# KiCad board AMLDC-2044B.kicad_pcb (continued)
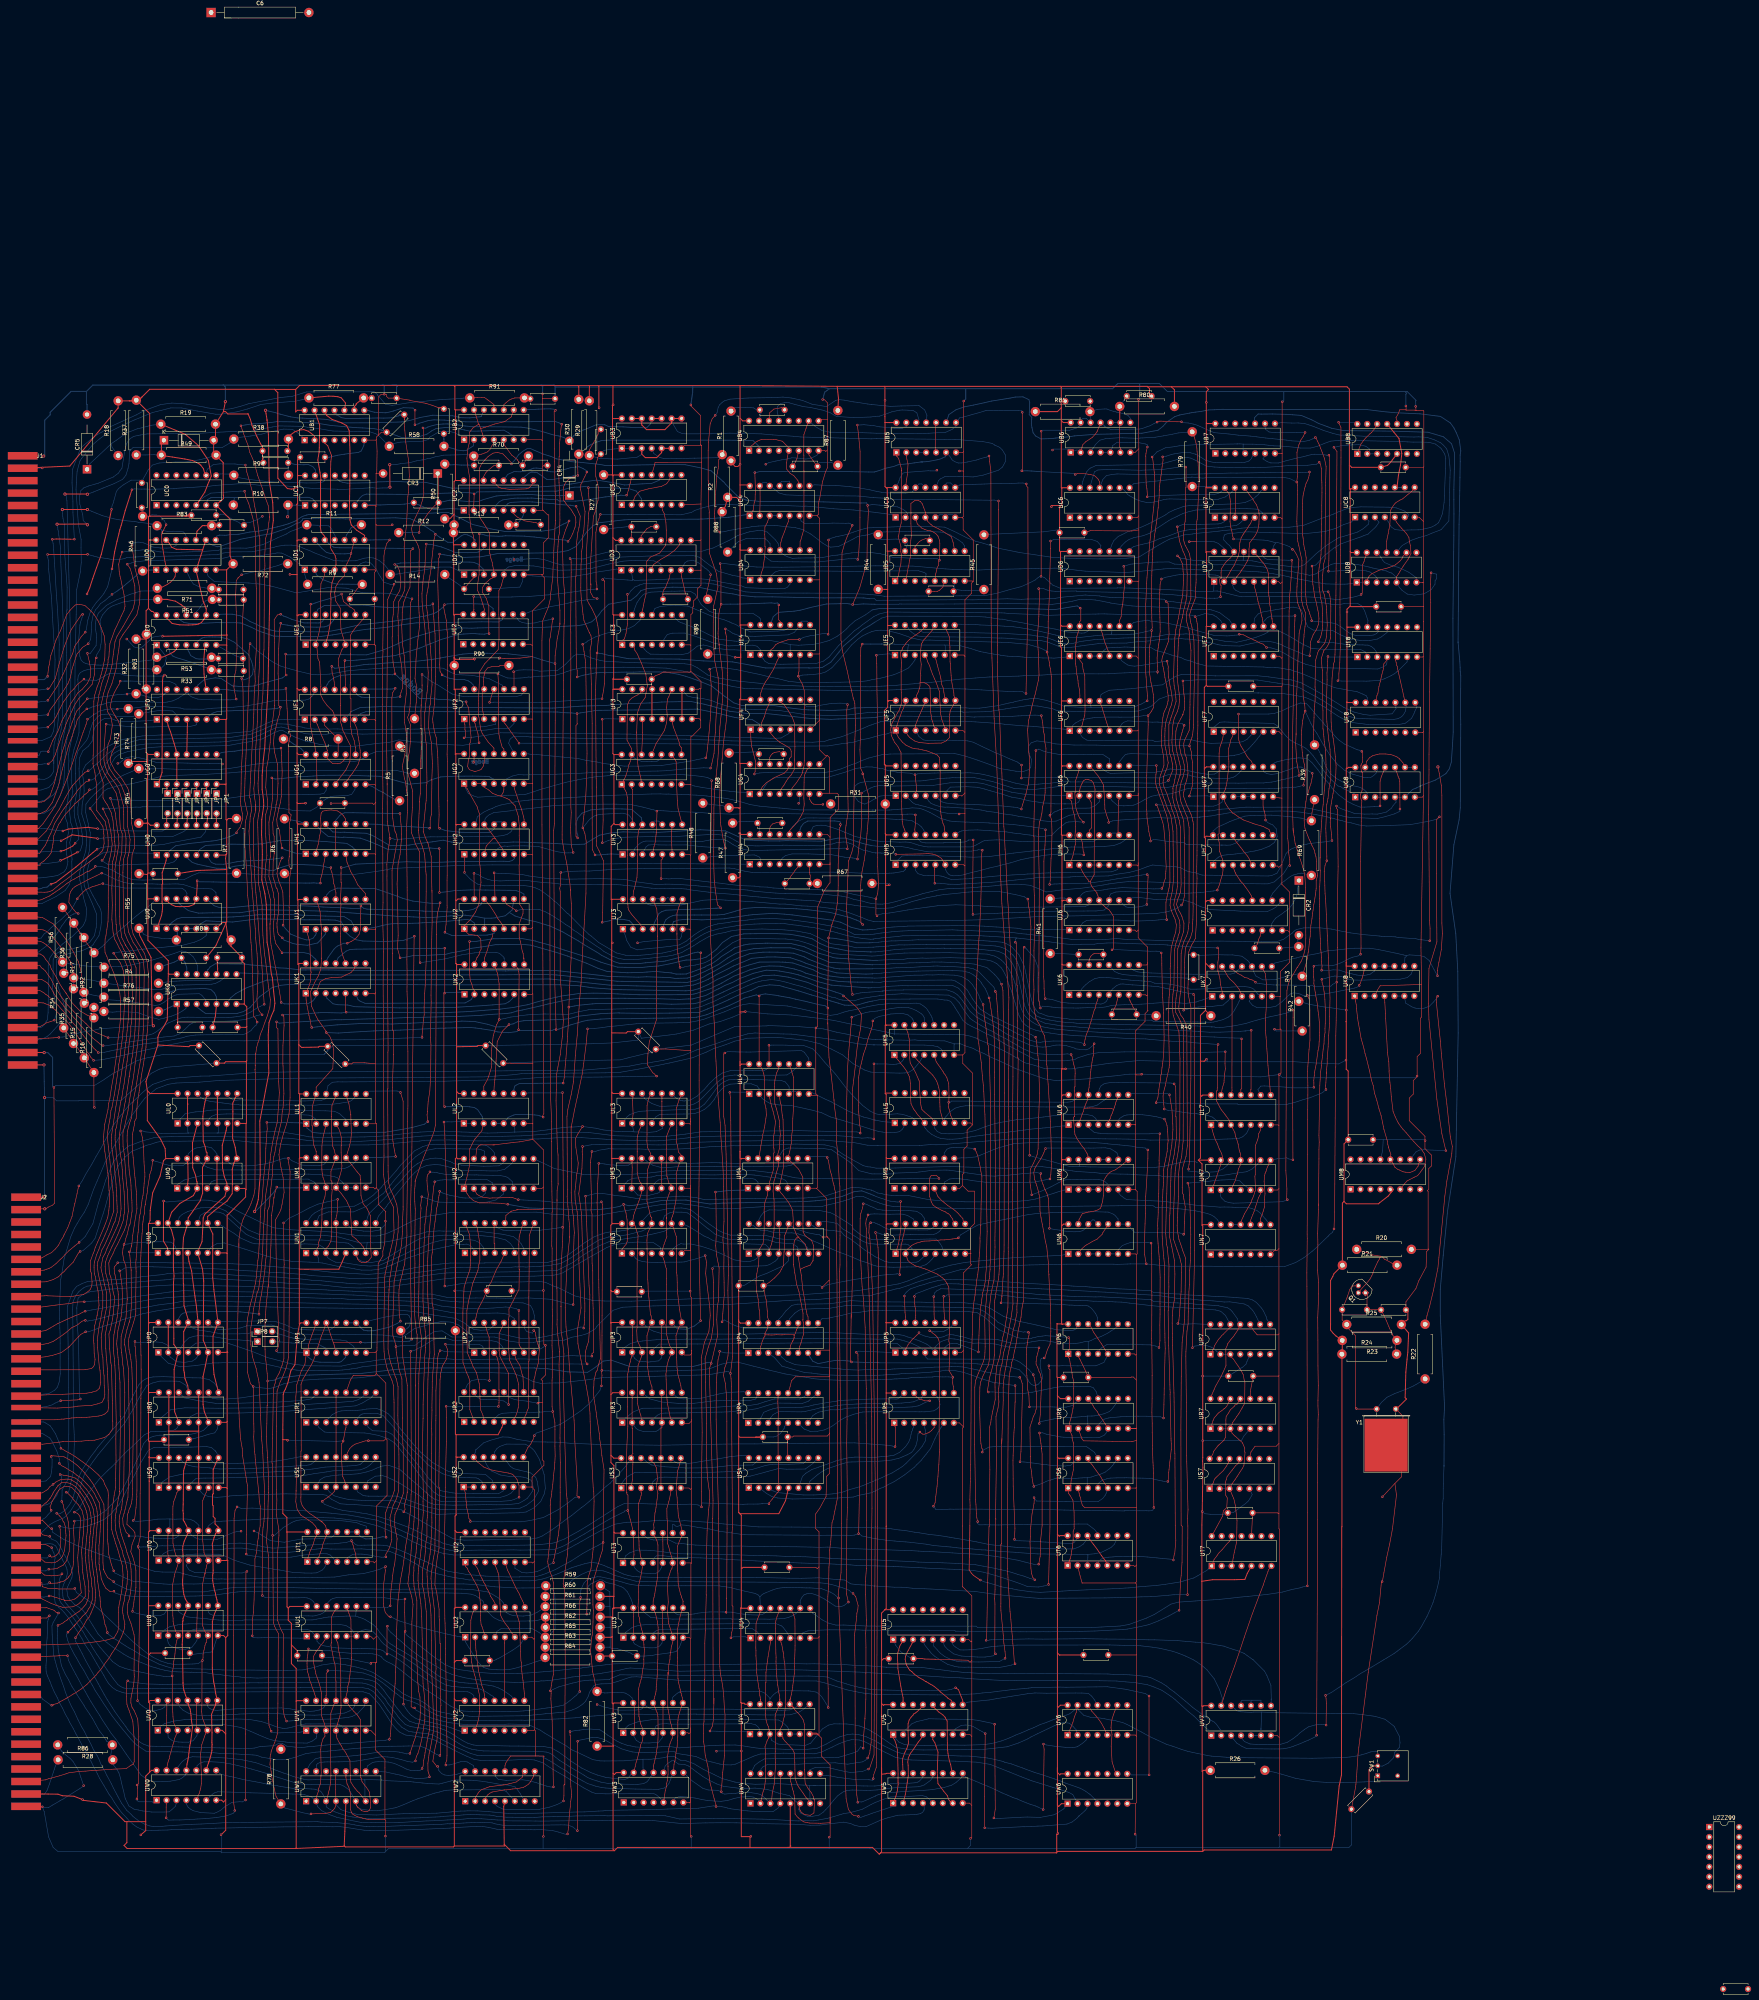
[diagram p0: board, top side]
## Routing (per net, layer and track width the routed paths; a pad name or vN(x,y) marks a point on that pad's centre or on a via; arc(x,y) is an arc through that point) (continued)
  Bottom w0.15: UH3.2 232.12,290.97 232.36,291.29 233.2,292.17 233.85,292.64 234.42,292.86 235,292.98 249.52,292.91 251.75,293.34 253.04,293.41 254.75,293.42 255.89,292.97 257.3,292.03 258.64,291.36 260.12,290.78 262.11,290.6 263.54,290.59 266.13,290.65 281.65,290.97 285.88,291.17 286.2,290.99 v1(286.44,290.99) ; v1(286.5,327.83) 286.21,328.12 284.59,328.2 282.35,328.12 279.51,327.65 278.43,327.4 275.97,327.42 275.1,328.23 UF4.9
H3p3: length 103.4
  Top w0.15: 255.36,346.2 255.38,346.06 ; 255.38,346.06 255.55,345.17 255.87,336.06 255.86,335.25 255.82,332.87 255.84,328.62 255.58,325 255.65,324.57 255.25,321.54 254.82,318.21 254.48,314.02 253.95,307.73 253.82,302.97 253.88,302.28 254.03,297.82 254.15,296.82 254.54,294.56 254.78,293.06 v1(255.29,291.17) ; 255.38,346.06 255.32,346.34 v1(255.29,347.17)
  Bottom w0.15: v1(255.29,291.17) 254.78,291.17 254.44,291.26 253.47,291.28 249.29,291.54 245.36,291.99 240.12,291.97 238.31,292 237.15,292.07 235.6,291.97 235.02,291.48 234.41,290.36 UH3.3 ; UE4.8 276.15,349.15 274.8,349.15 274.38,348.73 UE4.9 273.51,346.99 272.9,346.27 271.36,345.64 264.48,345.33 262.9,345.27 261.72,345.3 258.98,345.4 257.7,345.85 257.22,346.01 256.14,346.73 v1(255.29,347.17)
H3p5: length 189
  Top w0.15: 238.87,283.2 v1(238.87,283.39) 238.87,288.1 239.17,288.41 UH3.5 ; v1(294.04,273.9) 293.76,274.18 v1(293.76,278.24) 294.21,279.58 294.41,281.77 294.37,282.49 294.3,284.56 294.21,286.41 294.22,288.7 294.12,298.01 294.15,313.44 294.25,317.92 294.22,319.46 294.15,320.52 294.17,323.6 294.01,331.66 293.97,338.31 293.94,338.34 293.94,340.36 v1(293.86,340.43)
  Bottom w0.15: UE5.1 297.21,340.79 295.4,340.67 v1(293.86,340.43) ; v1(293.76,278.24) 292.31,278.6 290.82,278.9 288.4,279.28 284.03,280.35 281.62,280.45 278.91,280.55 274.84,280.68 274.19,280.64 272.47,280.74 267.54,280.99 265.98,281.22 264.1,281.27 262.8,281.47 259.37,281.58 256.11,281.93 254.47,282.16 250.92,282.55 248.39,282.85 243.78,283.4 241.57,283.37 240.72,283.3 240.17,283.39 v1(238.87,283.39) ; UJ6.12 348.13,276.71 347.19,276.24 332.2,276.07 329.04,276.03 322.16,276.25 319.97,276.46 314.2,276.71 309.47,276.45 304.05,275.72 301.78,275.37 298.1,274.74 297.29,274.61 295.44,274.4 294.48,274.2 v1(294.04,273.9)
H3p9: length 7.6
  Top w0.15: UH3.9 241.57,295.47 241.55,292.56 UH3.6
H3p11: length 3.5
  Bottom w0.15: UH3.10 238.48,297.88 238.31,298.04 238.05,298.1 237.11,298.1 236.63,297.62 UH3.11
H4p2: length 16.6
  Bottom w0.15: UH4.2 264.33,288.13 264.07,288.85 263.33,289.19 262.73,289.43 258.2,289.34 253.63,289.17 251.64,288.99 R48.1
H4p6: length 6.3
  Top w0.15: C11.1 271.44,283.19 271.83,283.63 272.08,284.1 272.76,284.94 273.06,285.44 274.23,286.81 UH4.6
H4p7: length 7
  Top w0.15: R67.1 276.86,282.15 C11.2 276.97,282.27 276.97,284.22 276.89,284.41 276.81,284.99 276.82,285.67 UH4.7
H4p10: length 77.5
  Bottom w0.15: UH6.11 350.8,293.83 350.23,293.47 349.43,292.94 348.6,292.81 332.52,292.88 330.84,292.89 325.84,293.25 324.58,293.28 322.24,293.18 321.53,293.08 320.99,292.92 320.6,292.67 320.15,292.4 319.41,292 319.11,291.87 318.5,291.57 318.1,291.49 315.12,291.49 307.68,291.49 307.05,291.48 306.04,291.61 304.66,291.93 302.46,292.65 301.33,292.73 299.87,292.69 294.98,292.91 293.58,293.03 293.1,293.15 292.42,293.28 288.53,294.11 285.25,295.46 283.92,296 280.89,296.95 279.86,297.03 278.71,296.97 277.74,296.68 UH4.10
H4p12: length 58.2
  Top w0.15: UG4.10 276.77,311.78 276.2,311.3 275.99,310.85 275.65,310.18 275.53,309.79 275.43,309.23 275.4,307.9 275.34,303.97 275.42,302.55 275.42,302.19 275.22,300.58 274.81,299.68 274.32,298.86 273.66,297.85 272.79,296.84 271.69,295.65 UH4.12
  Bottom w0.15: UH4.12 271.69,295.55 272.07,296.18 272.54,296.7 273.34,297.53 274.05,298.07 275.11,298.62 275.76,298.87 277.89,298.87 281.75,298.84 293.93,298.71 295.84,298.71 296.24,298.68 298.9,298.52 299.79,298.53 301.58,298.35 302.98,298.16 304.67,297.2 305.41,296.58 305.99,295.75 UH5.11
H4p14: length 5.5
  Top w0.15: UH4.14 266.61,296.14 266.79,296.74 267.34,297.34 268.46,297.72 C56.2
H4p15: length 9.6
  Bottom w0.15: R47.2 258.88,297.94 260.61,297.99 261.37,298.02 262.68,297.9 C56.1 264.07,296.99 UH4.15
H5p1: length 61.9
  Bottom w0.15: UH6.8 357.9,293.69 357.49,293.3 356.32,292.49 354.55,291.84 352.15,291.61 349.85,291.54 348.99,291.47 347.68,291.43 347.32,291.42 346.47,291.43 343.77,291.46 342.65,291.38 340.11,291.13 339.16,291.05 335.27,290.61 333.44,290.42 328.87,289.9 326.07,289.5 322.82,289.03 318.77,288.86 317.66,288.89 309.59,289.19 307.42,289.24 305.65,289.22 304.78,289.26 303.61,289.27 303.17,289.24 301.9,289.29 301.55,289.26 300.4,289.16 299.43,288.18 UH5.1
H5p2: length 279.4
  Top w0.15: 212.27,201.43 212.17,186.03 212.21,185.98 212.21,178.72 212.26,178.67 212.3,170.73 212.27,169.43 212.47,166.76 212.93,162.47 ; 211.4,108.69 211.4,108.7 v1(211.39,108.7) 211.4,108.71 211.4,109.53 211.5,109.63 211.71,110.48 211.68,110.69 211.92,111.69 212.11,112.76 212.39,114.54 212.6,115.67 212.9,118.17 213.07,119.55 213.08,126.58 213.07,127.95 213.11,134.16 213.02,138.45 213.07,139.42 213.03,140.53 213.07,143.82 213.09,145.12 212.79,159.19 212.93,162.64 ; 212.27,201.05 212.3,203.8 212.58,205.4 212.54,205.45 212.54,212.8 212.35,214.47 212.03,226.63 212.09,229.63 212.17,233.42 212.5,235.28 213.1,238.43 213.63,243.02 213.89,247.05 213.08,258.73 213.1,280.01 212.96,280.93 213.14,281.69 v1(213.24,284.96)
  Bottom w0.15: UH5.2 301.32,285.75 301.21,285.63 300.76,285.23 300.19,285.13 298.34,284.83 297.81,284.79 297.14,284.78 296.47,284.67 295.83,284.7 295.45,284.7 293.33,284.7 ; 293.33,284.7 293.42,284.71 ; 293.33,284.7 292.36,284.68 285.8,284.97 282.22,285.04 274.3,285.01 268.72,284.89 262.26,284.94 260.13,285.3 257.58,285.93 256.25,286.09 240.76,285.93 234.61,285.93 231.67,285.89 226.19,285.75 224.98,285.63 220.58,285.32 219.3,285.34 215.7,285.24 214.73,285.17 v1(213.24,284.96) ; v1(211.39,108.7) 210.49,108.28 210.04,107.95 209.02,107.27 208.1,106.79 207.21,106.44 205.62,106.14 204.43,106.06 203.2,106.21 201.52,107.27 UT2.6
H5p3: length 55.1
  Bottom w0.15: UH5.3 303.84,285.5 304.51,284.64 305.82,284.23 307.1,284.22 309.33,284.18 310.42,284.04 311.11,283.86 313.14,283.09 315.37,283.27 317.6,283.34 319.24,283.6 320.93,283.69 323.54,283.96 325.9,284.15 327.27,284.23 328.76,284.33 331.59,284.47 332.57,284.57 333.77,284.6 336.24,284.78 337.81,284.84 339.81,284.87 341.4,284.91 343.55,284.97 353.91,285.11 354.96,285.47 355.5,285.73 UH6.6
H5p5: length 226.2
  Top w0.15: v1(410.78,393.54) 411.56,392.45 411.46,375.53 411.47,373.61 411.34,367.65 411.4,366.64 411.35,362.63 411.32,359 411.3,355.72 411.27,354.38 411.15,347.52 411.14,346.99 411.19,346.19 411.06,340.55 410.92,338.9 410.67,338.18 410.31,334.62 410.23,331.89 410.05,325.51 410.07,323.36 410.18,322.21 410.23,321.47 410.46,319.89 410.6,319.1 410.94,316.59 411.14,314.5 411.34,312.2 411.26,309.95 411.18,309.16 411.14,308.37 410.9,307.16 410.57,305.19 ; v1(410.28,293.09) 410.18,294.67 409.94,296.64 409.83,297.68 409.89,298.61 409.89,298.85 409.84,298.71 409.93,301.32 410.11,302.65 410.38,304.15 410.58,305.24 ; 308.74,282.1 308.74,282.14 v1(308.8,282.2) 308.74,282.27 308.74,285.65 308.74,285.76 308.77,286.05 UH5.5
  Bottom w0.15: v1(308.8,282.2) 310.19,282.2 310.58,282.17 312.16,281.97 312.4,281.97 312.88,281.96 314.51,281.92 314.72,281.89 315.58,282 316.96,282.05 317.67,282.11 318.52,282.19 319.32,282.21 320.11,282.26 323.39,282.46 325.58,282.63 327.75,282.84 329.46,283.03 333.4,283.42 335.47,283.74 343.11,283.77 343.52,283.82 344.76,283.93 353.12,284.07 355.25,284.5 358.46,284.96 360.84,285.59 363.04,286.42 364.42,286.86 369.41,286.43 370.43,286.4 371.6,286.17 373.09,285.38 373.85,285.13 375.37,284.87 377.1,284.28 393.99,284.06 394.88,284.17 396.22,284.77 397.2,286.36 397.81,288.01 398.59,289.86 399.15,290.42 399.77,290.89 401.58,291.68 404.67,292.36 409.09,292.85 v1(410.28,293.09) ; UB8.3 UB8.2 419.69,392.27 420.02,393 418.94,393.81 417.12,394.23 415.61,394.16 412.81,393.98 411.58,393.69 v1(410.78,393.54)
H5p8: length 49.8
  Top w0.15: UG6.13 345.62,311.06 345.53,310.63 345.07,309.29 344.74,308.31 344.74,305.46 344.58,305.3 344.74,302.79 344.72,302.03 344.95,301.07 345.13,300.52 345.5,299.51 345.83,298.85 v1(346.79,297.79) 346.69,297.83
  Bottom w0.15: v1(346.79,297.79) 344.91,297.95 342.9,297.85 342.22,297.6 341.55,297.06 340.38,296.13 339.91,295.68 338.64,294.42 335.67,294.08 333.07,294.53 331.82,294.65 330.59,294.85 329.74,294.91 328.72,295.05 327.07,295.32 325.55,295.43 324.46,295.52 322.9,295.63 319.7,295.82 317.31,295.77 316.06,295.62 315.64,295.55 315.1,295.35 UH5.8
H6p3: length 5.1
  Bottom w0.15: UH6.5 UH6.4 UH6.3
H7p1: length 31.5
  Top w0.15: 392.92,300.77 393.21,299.64 393.18,299.13 393.32,298.4 393.3,298.38 ; 392.99,300.44 392.68,301.9 UG7.6 ; 393.3,298.38 393.25,298.32 v1(393.3,298.32) 393.3,298.38
  Bottom w0.15: UH7.1 379.91,287.72 381.26,288.85 381.72,289.1 382.47,289.35 383.47,289.47 384.47,289.55 385.64,289.68 388.21,290 389.46,290.28 390.4,290.41 390.77,290.49 392.32,290.89 394.26,291.67 395.58,292.61 396.29,294.08 396.07,296.07 395.1,297.14 394.63,297.32 393.86,297.69 v1(393.3,298.32)
H7p3: length 10.4
  Top w0.15: 384.86,286.6 385.08,286.38 385.34,285.45 385.59,284.84 385.64,284.84 385.78,284.43 386.76,283.04 386.8,282.9 386.89,282.77 387.22,282.46 387.72,281.93 387.9,281.58 388.23,281.21 389.21,279.77 389.74,278.9 UJ7.12
H7p12: length 9.2
  Top w0.15: 384.86,294.22 386.02,292.49 ; 389.94,286.6 389.53,287.49 389.36,287.82 389.19,288.34 388.69,289.15 387.76,290.26 387.44,290.73 387.03,291.27 386.04,292.49
HI DENS: length 278.9
  Top w0.15: 89.19,89.49 89.21,89.51 v1(89.24,89.51) 89.24,89.54 89.86,90.49 90.09,90.9 90.52,91.43 90.73,91.8 91.09,92.22 92.09,94.05 92.69,94.74 93.21,95.84 94.19,98.23 94.25,99.02 94.29,99.88 94.34,101.08 94.27,101.87 94.07,104.8 93.85,105.76 93.77,106.28 93.78,106.27 93.42,109.44 93.37,110.26 93.37,111.42 93.46,112.57 93.58,114.09 93.67,115.08 93.78,116.16 94.07,118.77 94.05,119.4 94.12,119.78 93.93,121.1 93.75,122.38 93.25,123.69 92.84,124.55 92.21,125.64 91.91,126.02 90.44,128.06 90.23,128.27 89.68,128.89 88.75,129.47 88.27,129.78 87.19,130.03 85.54,129.91 85.15,129.76 84.22,129.28 84.02,129.1 83.84,128.89 v1(83.49,128.67) 82.6,128.01 82.15,127.38 80.74,126.51 J2.49 ; v1(174.88,162.68) 175.09,127.11 174.98,126.08 174.94,124.22 174.87,122.48 174.53,119.33 174.43,118.14 174.14,116.11 173.55,112.62 173.13,109.2 172.83,107.2 172.35,104.62 172.11,103.13 172.01,102.17 171.62,98.94 171.29,91.5 171.3,87.57 171.08,82.06 171,80.75 170.91,77.8 170.28,71.09 170.19,70.4 169.98,68.36 169.92,67.69 169.73,65.02 169.66,64.28 v1(169.45,63.57)
  Bottom w0.15: v1(169.45,63.57) 168.35,63.3 166.35,63.17 164.67,62.98 159.75,62.58 157.15,62.45 156.68,62.37 155.68,62.3 153.08,62.09 151.82,61.97 150.12,61.77 148.48,61.65 147.03,61.44 145.32,61.58 143.23,61.81 142.06,62.55 141.06,62.49 140.09,61.95 136.99,61.75 136.45,61.73 135.01,61.33 133.43,61.21 126.92,61.35 126.01,61.38 124.84,61.4 122.09,61.48 121,61.49 118.98,61.55 118,61.55 116.49,61.6 115.58,61.63 114.28,61.66 111.24,61.77 110,61.77 108.89,61.81 107.97,61.83 106.66,62.32 105.78,62.78 104.99,63.47 104.57,63.85 103.26,65.29 102.6,66.04 102.12,66.77 101.44,67.67 100.81,68.52 99.19,70.79 98.61,71.71 97.33,73.72 96.54,75.09 95.49,76.97 95.03,77.82 94.16,79.42 93.88,80.08 92.8,81.94 91.87,83.61 90.94,85.43 90.41,86.46 89.24,88.66 v1(89.24,89.51) ; v1(174.88,162.68) 174.95,162.68 175.98,162.95 176.52,163.29 178.02,164.01 179.03,164.64 179.76,165.13 180.93,165.77 182.24,166 183.54,166.02 184.12,165.98 185.49,165.5 188.53,165.38 192.45,165.33 193.8,165.36 195.61,165.36 196.65,165.15 196.99,165.06 197.58,164.7 198.33,163.84 UP2.4
INTA: length 66.4
  Top w0.15: v1(82.15,331.87) 82.47,331.87 84.07,334.47 84.97,337.92 86.35,342.63 87.76,346.2 88.17,347.04 90.7,350.74 90.93,350.74 v1(91.07,350.87)
  Top w0.25: R53.2 111.51,339.97 113.44,340.8 114.43,341.36 115.02,341.96 UE0.3
  Bottom w0.15: v1(91.07,350.87) 90.9,349.98 90.48,348.75 90.36,348.14 90.05,344.35 90.11,341.98 90.34,340.19 90.68,339.18 91.26,338.61 91.84,338.34 92.84,338.09 93.69,338.04 94.32,337.94 94.99,337.93 95.67,337.91 99.02,338.19 99.61,338.24 100.19,338.24 100.76,338.32 104.03,338.73 108.72,339.22 R53.2 ; J1.40 81.06,331.69 v1(82.15,331.87)
INTPIN: length 103.1
  Top w0.15: v1(131.71,334.52) 131.95,332.86 132.04,331.54 132.08,327.35 132.16,321.43 131.89,316.04 131.85,315.38 131.81,314.67 131.62,311.32 131.6,311.18 131.56,307.63 131.51,305.09 131.41,303.08 131.48,302.11 131.84,300.09 131.95,298.59 131.3,296.53 130.62,295.67 v1(130.37,295.07)
  Top w0.25: UH0.2 112.37,287.95 111.38,284.86 111.5,282.06 111.35,281.92 111.35,277.45 111.51,276.42 111.39,274.97 111.22,274.01 110.35,271.44 109.94,271.23 UJ0.1
  Bottom w0.2: UH0.2 113.41,290.63 114.82,291.77 118.06,292.33 122.05,292.76 124.09,292.98 125.19,293.12 127.18,293.61 127.65,293.77 128.77,294.18 129.71,294.6 v1(130.37,295.07) ; v1(131.71,334.52) 132.23,334.16 133.12,334.42 133.83,334.85 134.45,335.5 134.64,336.8 134.54,337.75 134.23,338.86 133.47,340.58 129.89,343.72 128.33,344.52 126.21,345.07 124.88,345.1 124.2,345.1 123.38,345.12 122.21,345.04 121.57,344.83 120.56,344.1 UE0.5
IO PLS: length 96.7
  Bottom w0.15: J1.74 80.74,277.07 84.29,278.82 86.61,280.36 87.61,281.79 88.14,283.48 88.34,285.56 88.29,287.74 88.37,288.36 88.24,289.38 87.77,292.6 88.26,294.66 88.45,295.51 88.36,296.78 88.04,297.63 87.66,300.89 88.57,305.74 88.35,307.19 88.14,308.55 88.34,314.07 88.87,316.44 89.55,318.42 90.13,320.62 90.22,329.43 89.83,334.2 89.94,335.23 90.47,336 91.41,336.51 92.19,336.72 93.27,336.95 97.55,337.05 100.26,337.05 107.46,337.01 R33.2 110.78,336.75 111.93,337.92 112.28,339.04 112.41,339.79 112.08,340.52 111.74,340.94 110.99,341.9 UE0.1
IO RST: length 192.2
  Top w0.25: 157.94,402.99 158.25,404.84 157.15,406.17 156.27,406.46 155.25,406.57 153.91,406.61 R77.1
  Bottom w0.15: R77.1 147.19,405.71 145.2,405.28 139.61,404.85 136.55,404.46 133.11,403.31 130.51,402.6 126.21,401.98 125.04,401.99 120.35,402.8 116.37,403.59 113.58,403.6 108.97,402.45 104.19,400.49 101.82,399.44 97.61,397.35 95.3,395.64 93.55,394.13 92.37,392.66 90.83,390.76 90.35,390.01 89.64,387.39 89.46,384.57 89.37,382.7 89.97,373.8 90.67,370.01 90.65,367.86 90.71,364.14 90.48,361.71 89.54,357.23 89.41,350.9 89.13,338.27 89.07,326.91 88.96,322.28 87.96,317.74 87.47,315.18 87.56,313.45 87.21,308.1 87.51,305.29 87.21,303.02 86.83,301.61 86.67,298.85 87.17,297.55 87.42,295.05 86.93,292.55 86.98,289.56 87.3,287.76 87.17,286.97 86.93,286.03 86.34,285.14 84.69,284.2 83.24,283.93 81.13,283.65 80.17,283.57 J1.70
IO_RESET: length 360
  Top w0.15: 193.52,374.16 192.65,375.42 192.47,375.89 192.42,375.93 192.42,388.17 192.69,388.7 193,389.34 194.02,390.52 194.16,390.64 194.68,391.2 195.92,392.05 197.03,392.24 198.44,391.86 200.75,389.45 v1(200.63,389.28) 200.75,389.26 ; UF1.10 158.26,331.88 158.26,332.92 157.94,338.79 158.15,339.09 v1(158.07,339.09) 158.07,339.18 158.11,339.14 ; 194.95,345.87 194.93,345.89 v1(194.93,345.95) 194.86,345.95 194.84,345.97 194.84,353.12 194.49,354.01 194.18,354.98 193.17,356.55 193.27,357.81 193.93,358.8 195.21,359.92 195.88,360.21 195.88,360.76 UD2.4 196.06,361.12 196.06,362.15 195.86,363.31 195.71,364.15 195.36,365.27 195.13,366.34 195.03,366.45 195.03,371.7 194.06,373.29 193.46,374.22 ; v1(291.63,378.7) 291.84,377.32 291.56,370.99 291.46,364.24 289.62,357.67 v1(287.81,353.38)
  Bottom w0.15: v1(291.63,378.7) 292.88,378.92 294.61,378.78 295.75,378.7 298.06,378.48 299.28,378.33 300.11,377.98 300.83,377.6 301.56,377.03 301.91,376.48 UC5.2 ; UE7.12 384.07,349.44 382.8,350.38 381.61,351.29 379.57,352 378.96,352.12 378.96,352.12 376.62,352.12 374.51,352.15 369.82,352.54 368.74,352.6 361.15,352.94 360.34,352.95 359.19,353.03 354.65,353.62 353.81,353.75 353.38,353.86 351.66,354.22 349.78,354.55 347.63,354.71 345.71,354.67 344.04,354.25 341.78,353.82 338.79,353.44 334.64,353.54 332.41,353.54 327.35,353.71 313.89,353.52 300.37,353.5 299.82,353.53 299.57,353.46 293.33,353.46
  Bottom w0.2: v1(200.63,389.28) 200.63,389.34 201.68,390.51 202.45,391.63 203.49,392.51 204.63,393.2 205.38,393.27 206.6,392.72 208.74,391.82 210.71,391.21 212.12,390.6 215.96,389.87 217.45,389.79 223.4,389.15 224.62,388.89 241.08,389.17 242.43,389.17 243.05,389.12 245.02,389.1 249.18,388.24 251.68,387.52 254.64,384.87 254.97,384.6 255.38,384.07 258.09,381.35 258.83,380.75 260.6,380.06 264.46,379.67 271.16,379.7 273.27,379.71 280.38,379.6 285.71,379.45 289.42,379.34 290.11,379.32 291.39,379.34 v1(291.63,378.7) ; 293.58,353.46 292.66,353.48 290.52,353.54 288.29,353.38 v1(287.81,353.38) 286.88,353.56 286.1,353.68 284.43,353.59 281.14,353.52 277.12,352.66 274.47,351.94 272.82,351.68 268.83,351.39 267.52,350.29 UE4.12 ; v1(158.07,339.09) 159.63,339.09 160.06,339.11 161.11,339.19 164.77,339.55 166.91,339.89 170.92,340.36 174.32,341.39 177.18,342.25 179.26,343.1 180.08,343.44 182.72,344.49 186.79,345.68 188.46,345.86 190.94,345.99 192.38,345.86 193.8,345.83 194.25,345.95 v1(194.93,345.95)
J0p4: length 259.9
  Top w0.15: 151.94,119.31 152.29,119.08 153.12,118.12 UT1.12 153.09,116.06 153.37,115.74 152.44,113.36 152.26,112.53 151.9,111.44 151.47,110.27 151.01,109.53 UT1.2 ; 151.94,119.31 150.47,120.31 149.59,120.91 149.04,121.27 148.09,122.11 147.69,122.53 147.15,123.29 146.84,124.21 146.81,125.41 146.84,125.44 146.84,137.16 146.91,137.23 146.86,154.25 147.37,155.62 147.9,156.48 148.13,156.96 148.78,158.02 149.52,159.26 149.9,159.99 UP1.2 151.21,163.96 151.54,164.95 152.05,166.57 152.43,167.45 UP1.12 153.99,168.26 154.42,166.85 155.08,164.95 ; 151.94,119.31 152.23,119.01 ; v1(175.14,165.74) 174.78,186.4 174.99,193.38 174.87,200.22 174.99,205.08 175.2,214.84 175.39,236.46 175.49,244.5 175.75,268.06 v1(175.82,268.7) ; 155.08,164.95 155.28,164.47 155.36,163.99 ; 155.08,164.95 162.04,164.95 v1(162.06,164.98) 162.09,164.95 162.21,164.95 ; 155.35,164.06 UP1.4
  Bottom w0.2: v1(162.06,164.98) 162.27,164.98 163.21,164.83 164.21,164.9 164.72,164.9 165.71,164.97 167.36,165.11 168.25,165.15 169.9,165.29 171.05,165.25 172.94,165.11 174.65,165.26 v1(175.14,165.74) ; v1(175.82,268.7) 175.53,268.45 175.05,268.26 173.97,267.93 172.97,267.58 168.51,267.32 162.66,267.45 160.99,267.77 159.43,268.63 158.55,269.46 UJ1.5 157.1,272.37 155.61,272.79 153.87,272.85 149.06,272.87 147.75,272.87 135.74,273.11 129.39,272.3 124.25,272.51 122.56,272.61 121.27,271.92 121.04,271.69 UJ0.5 117.56,270.61
J0p9: length 103.4
  Top w0.15: v1(158.66,266.87) 159.8,267.39 160.64,267.93 161.05,268.35 161.68,269.14 162.02,270.32 162.03,272.09 162.08,273.28 v1(162.16,276.43) ; UJ2.12 195.15,276.44 196.25,274.77 196.9,273.71 197.1,273.27 197.75,272.38 198.39,271.52 UJ2.5 198.37,271.59
  Bottom w0.2: v1(158.66,266.87) 157.74,266.87 156.13,266.14 155.65,265.75 155.25,265.33 154.1,263.73 153.77,263.26 153.46,262.63 UK1.12 ; UJ2.12 193,277.25 192.85,276.78 191.89,276.07 190.78,275.51 189.51,275.25 188.03,275.13 185.1,274.89 183.76,274.93 179.96,275.04 178.18,275.08 177.96,275.12 174.99,275.24 174.13,275.33 169.42,275.44 163.73,275.59 162.85,275.81 v1(162.16,276.43) 162.16,275.92 161.5,275.72 161.05,275.73 159.55,275.8 157.68,275.93 155.19,276.01 154.72,276.04 152.49,276.13 150.39,276.31 145.4,276.5 139.71,276.64 139.1,276.66 134.59,276.54 129.66,276.05 128.84,276.04 125.96,276.01 124.66,276.46 122.64,278.23
J0p10: length 53.7
  Top w0.15: UH1.3 152.63,286.93 152.49,285.82 152.15,284.25 151.89,283.39 v1(151.81,282.24) 151.89,282.2 152,282.09
  Top w0.25: 120.28,282.88 120.31,282.91 v1(120.31,282.85) 120.25,282.85 120.34,281.63 UJ0.10 119.5,276.78 118.2,276.28 117.35,276.25 115.86,276.22 114.79,276.28 113.84,276.71 112.99,277.3 112.48,278.23
  Bottom w0.2: v1(151.81,282.24) 150.81,282.24 150.16,282.3 149.66,282.27 149.04,282.25 148.08,282.25 126.42,282.49 124.47,282.54 120.8,282.58 v1(120.31,282.85)
J1p1: length 298.2
  Top w0.15: 196.7,236.87 196.57,234.19 196.37,231.81 196.27,231.28 UL2.11 ; 200.03,246.01 v1(200,246.11) 198.26,244.38 198.26,244.28 196.99,241.73 196.69,236.67 ; UJ1.1 148.44,269.49 148.76,268.43 148.99,267.52 149.09,266.46 149.35,261.81 149.29,260.92 149.39,259.6 149.46,259.42 149.3,258.86 149.35,257.42 148.97,256.12 UK1.1 148.17,252.33 148.27,251.66 148.44,250.74 148.89,248.46 149.17,247.32 149.5,245.4 149.55,245.36 v1(149.59,245.36) 149.59,245.31 ; UL7.13 382.24,229.79 382.72,231.37 382.72,231.9 382.85,233.48 383.03,234.78 382.95,236.1 v1(383.01,239.16) 383.11,239.18
  Bottom w0.15: 292.89,252.11 294.55,252.44 295.91,252.59 302.43,252.62 302.46,252.64 309.45,252.64 310.41,252.53 311.29,252.37 311.94,252.37 312.83,252.04 313.65,250.99 314,250.38 314.7,249.31 316.01,247.13 317.19,246.21 318.34,245.59 320.2,244.71 321.47,244.03 323.44,243.12 324.95,242.26 327.34,240.78 328.66,240.23 330.46,239.22 332.47,238.19 334.17,237.28 335.78,236.99 336.74,236.85 341.44,236.85 342.65,236.89 344.69,237.26 345.41,237.66 348.13,238.52 350.58,238.93 357.35,239.13 362.86,239.15 375.13,238.94 v1(383.01,239.16)
  Bottom w0.2: v1(149.59,245.36) 150.99,245.53 152.2,245.67 156.12,246.04 162.42,246.39 170.02,246.25 172.88,246.39 174.76,246.45 177.61,246.59 184.1,246.76 185.18,246.74 187.97,247 190.22,246.92 191.39,246.85 194.57,246.18 196.74,245.51 197.47,245.51 197.74,245.54 198.54,245.57 199.33,245.56 v1(200,246.11) 201.03,246.27 202.18,246.83 203.79,247.09 204.9,247.14 213.52,247.42 215.39,247.61 217.72,248.24 223.57,248.92 228.13,249.09 228.16,249.06 236.01,248.95 237.54,249 241.09,249.04 248.51,249.19 250.74,250.1 253.16,251.12 256.13,252.45 257.88,253.29 259.83,254.16 261.94,254.87 263.8,255.81 266.56,256.26 269.13,256.08 270.17,255.76 273.98,254.7 277.32,253.66 280.05,252.9 282.24,252.13 284.13,251.58 285.68,251.07 286.81,251.04 289.06,251.11 291.12,251.72 291.56,251.82 292.3,252.01 292.89,252.11
J2p9: length 248.7
  Top w0.15: v1(249.01,264.44) 248.77,249.01 248.65,246.21 248.59,231.75 248.65,215 248.43,193.63 v1(248.96,170.49)
  Bottom w0.2: v1(248.96,170.49) 248.96,170.37 247.35,169.12 246.31,168.67 245.5,168.28 242.99,168.42 UP3.9 ; v1(249.01,264.44) 248.25,264.63 247.35,264.43 246.9,264.35 245.87,263.92 244.1,263.39 240.05,262.37 239.58,262.28 239.16,262.26 234.83,261.88 233.51,261.71 232.05,261.66 228.19,261.76 226.8,262.2 224.85,263.2 223.67,263.8 222.59,264.51 219.32,266.44 217.64,267.53 215.33,268.84 213.73,269.78 210.54,271.25 206.81,272.39 204.9,272.79 201.56,273.83 200.06,274.76 ; UJ2.9 200.81,275.39 199.03,273.89 196.49,273.37 195.45,273.28 193.78,273.28 ; 193.78,273.28 190.98,273.82 190.11,273.87 188.85,274.04 185.1,273.87 181.44,273.54 179.5,273.4 178.84,273.45 175.66,273.59 174.62,273.65 173.38,273.69 171.42,273.75 166.5,274.16 164.85,274.23 162.3,274.41 155.29,274.97 153.53,275.06 147.27,275.22 145.25,275.29 142.33,275.34 141.44,275.34 136.21,275.46 131.23,274.67 124.29,274.65 121.7,274.6 120.65,274.57 118.09,275.2 115.98,276.78 UJ0.12 ; 193.78,273.28 193.78,272.15 UJ2.3
J2p10: length 283.3
  Top w0.15: UM7.8 394,210.2 393.59,209.18 393.41,208.56 393.19,208.12 393.07,207.46 392.95,206.05 393.03,205.28 393.18,202.87 393.04,201.54 393.07,200.56 393.04,199.53 392.73,198.48 392.47,197.67 392.03,196.6 UN7.9 ; v1(201.89,275.18) 201.82,275.25 201.82,275.28 ; v1(201.89,275.18) 201.82,275.11 201.82,275.08 ; v1(201.89,275.18) 201,275.79 200.01,276.44 199.39,276.82 UJ2.10 ; v1(400.36,249.8) 400.36,247.86 400.34,247.85 400.25,224.92 v1(400.3,211.56)
  Bottom w0.15: 379.44,245.52 379.69,245.5 ; 379.44,245.52 375.88,245.76 351.71,246.2 345.83,246.39 344.99,246.46 344.31,246.55 342.22,246.69 341.47,246.75 340.21,246.92 339.55,247.03 338.12,247.27 336.81,247.58 336.34,247.62 335.47,248.02 334.84,248.28 333.67,249.46 333.1,250.46 332.69,251.26 332.42,252.89 332.28,253.34 332.04,254.43 331.84,255.42 331.49,256.65 331.19,257.7 331.03,258.71 330.78,259.67 330.55,260.07 330.46,260.65 329.8,262.33 329.09,263.44 328.8,263.87 328.73,263.87 327.72,264.82 327.01,265.33 325.87,265.85 324.29,266.19 323.12,266.27 319.12,266.52 318.54,266.56 311.27,266.56 311.21,266.62 311.16,266.57 306.61,266.57 306.59,266.56 301.05,266.44 299.64,266.47 297.82,266.3 296.97,266.16 296.21,266.14 295.73,266.07 294.33,265.97 293.99,265.97 293.03,265.87 ; 379.44,245.52 380.2,245.5 380.61,245.37 381.65,245.29 384.13,245.64 385.57,245.84 388.32,246.41 390,246.94 392.73,247.68 394.53,248.13 395.99,248.42 397.42,248.76 398.57,249.04 ; 293.03,265.87 293.06,265.87 ; 293.03,265.87 291.91,265.86 288.67,265.71 287.08,266.13 285.8,266.32 282.25,266.75 280.04,267.82 279.21,268.27 276.99,269.34 275,269.71 273.73,269.96 272.18,270.13 270.32,270.29 268.58,270.4 267.61,270.41 264.66,270.52 260.03,270.37 259.7,270.38 258.23,270.25 256.53,270 255.3,269.66 253.05,269.22 251.17,268.62 250.2,268.1 248.79,267.28 248.15,266.86 247.19,266.24 245.39,265.22 244.77,264.9 244.16,264.5 242.07,263.88 240.36,263.56 236.29,263.09 235.5,263.01 231.82,262.67 229.38,262.77 227.87,263.04 226.62,263.51 224.76,264.5 224.2,264.84 223.43,265.46 222.22,266.23 219.75,267.94 217.46,269.64 216.59,270.18 215.39,271.13 214.51,271.63 213.26,272.54 212.48,273.02 211.09,273.9 210.29,274.36 209.23,274.94 208.02,275.4 207.65,275.51 203.28,275.5 202.69,275.39 v1(201.89,275.18) ; v1(400.3,211.56) 399.21,211.81 398.76,212.05 396.39,211.86 UM7.8 ; v1(400.36,249.8) 399.25,249.31 398.54,249.01
J2p13: length 260.5
  Top w0.15: UJ2.13 v1(191.05,284.75) 191.12,284.78 191.16,284.81 ; v1(332.57,278.17) 332.79,276.27 332.95,275.44 333.36,271.09 333.26,267.09 333.06,258.79 333.06,257.16 332.95,243.8 332.95,233.26 332.95,212.81
  Bottom w0.15: 345.66,209.87 344.34,209.83 343.93,209.87 343.27,209.88 342.39,210.08 340.81,210.53 339.18,211.01 337.14,211.55 334.86,212.12 333.79,212.42 v1(333.03,212.72) ; 345.66,209.87 345.77,210.11 345.77,210.58 UM6.13 ; 345.66,209.87 345.91,209.87 346.76,209.83 347.31,209.79 348.51,209.75 364.98,209.63 365.45,209.68 367.55,209.94 368.41,210.21 369.1,210.3 370.12,210.56 372.26,211.03 373.28,211.22 374.32,211.15 375.23,211.15 375.7,210.94 375.9,210.84 ; v1(332.57,278.17) 331.74,278.71 331.63,278.75 329.41,279.31 328.2,279.52 326.65,279.86 325.34,280.05 320.93,280.16 319.7,280.13 318.16,280 317.43,279.95 316.27,279.87 315.26,279.72 311.02,279.29 309.3,279.02 309.13,278.94 306.79,278.52 304.99,278.05 303.05,277.55 301.46,277 299.29,276.43 297.86,275.93 296.13,275.8 295.05,275.73 294.41,275.76 293.87,275.85 293.03,275.97 289.91,276.34 288.33,276.57 286.52,276.88 285.05,277.04 282.91,277.16 280.89,277.25 277.81,277.76 277.05,277.76 276.05,277.81 274.7,277.9 273.54,277.95 269.98,278.22 268.19,278.27 263.8,278.7 262.28,278.82 258.98,279.17 257.31,279.37 252.79,279.71 250.91,279.94 246.24,280.52 245.4,280.71 243.97,280.82 242.12,280.9 241.05,280.85 239.65,280.88 237.38,280.91 236.48,280.93 233.7,281.31 232.43,281.39 230.77,281.56 229.23,281.71 228.53,281.79 227.49,281.84 227.02,281.83 214.81,281.86 213.59,281.94 211.22,282.23 208.73,282.39 205.75,282.73 204.57,282.95 202.77,282.95 202.76,282.94 199.84,282.85 199.24,282.85 197.68,282.79 196.3,282.88 195.49,282.98 194.6,283.17 193.22,283.74 192.6,284.15 192.24,284.36 v1(191.05,284.75)
J3p3: length 75.1
  Top w0.15: UF3.14 233.63,330.8 232.79,330.27 232.12,329.94 231.39,329.49 230.74,328.88 230.34,327.92 230.22,327.21 230.15,318.78 230.88,317.38 231.35,316.53 UG3.13 230.97,313.29 230.84,312.89 230.64,312.47 230.35,311.24 229.81,309.52 UG3.1 229.55,306.26 229.73,305.87 230.05,305.27 230.24,304.06 230.32,303.03 230.32,289.3 ; 230.32,289.43 230.25,277.06 230.39,276.73 230.42,275.93 230.61,275.35 231.24,274.37 232.56,272.82 233.48,271.83 UJ3.3
  Bottom w0.15: UG3.13 231.95,314.27 232.53,313.82 233,313.68 233.91,313.29 235.27,313.29 236.56,313.33 ; UG3.10 238.72,314.81 238.82,313.99 237.99,313.44 237.77,313.36 236.44,313.33
J3p4: length 309.6
  Top w0.15: 253.68,342.9 253.68,343.29 253.73,342.49 254.21,338.72 254.42,337.14 254.45,336.71 254.63,334.6 254.52,333.14 254.54,331.9 254.57,329.17 254.18,324.96 253.89,322.13 253.8,320.42 253.38,313.94 252.95,309.83 252.58,306.38 252.55,305.19 252.36,301.42 252.35,298.51 252.32,290.34 252.33,286.65 252.45,282.92 252.51,282.53 252.72,280.44 253.2,277.23 253.42,276.46 253.52,276.46 v1(254.06,275.92) ; UE4.11 269.3,349.07 268.86,349.51 268.86,353.28 v1(268.95,353.28) 268.95,353.37 269.03,353.45 ; UD8.2 419.5,360.13 419.76,360.63 420.46,361.25 422.24,362.1 423.13,362.37 424.84,362.82 426.45,363.49 427.77,364.6 428.23,365.25 428.45,365.77 UD8.9 ; v1(253.96,363.85) 254.03,362.96 254.16,362.28 254.16,353.5 v1(254.21,353.45) 253.85,352.2 253.62,350.96 253.49,347.21 253.42,346.06 253.47,345.15 253.69,343.18
  Bottom w0.15: 387.06,361.98 375.17,362.27 369.85,362.59 369.02,362.6 367.33,362.48 365.85,362.32 359.41,361.69 357.59,361.59 357.09,361.58 347.29,361.91 346.26,362.01 344.9,362.18 341.34,362.65 339.31,362.68 337.78,362.6 335.25,362.63 334.46,362.61 333.46,362.6 330.57,362.49 325.18,362.37 324.41,362.4 323.82,362.35 323.15,362.34 320.12,362.2 315.53,362.28 313.4,362.38 ; 387.06,361.98 387.16,361.98 ; 387.06,361.98 389.37,361.84 390.11,361.83 391.55,361.72 392.13,361.67 392.78,361.61 395.3,361.23 396.99,360.98 399.86,360.32 401.94,359.86 406.05,359.09 408.71,358.65 412.51,358.57 412.98,358.59 413.56,358.58 414.2,358.62 414.99,358.72 415.21,358.69 415.72,358.75 UD8.1 UD8.2 ; v1(253.96,363.85) 255.13,363.85 259.27,363.33 263.33,362.96 269.68,362.92 279.79,363.03 283.86,363.1 291.51,363.23 293.59,363.27 298.39,363.27 298.85,363.17 303.14,363.21 311.49,362.48 313.43,362.38
  Bottom w0.2: UJ3.4 237.16,272.12 237.71,273.19 238.3,274.45 238.96,274.92 240.09,275.32 244.95,275.51 246.79,275.55 248.99,275.59 251.21,275.76 252.56,275.8 252.95,275.8 ; v1(254.06,275.92) 253.38,275.85 252.69,275.8 ; v1(268.95,353.28) 268.95,353.46 268.62,353.79 267.94,353.7 266.98,353.8 265.23,353.73 258.39,353.49 256.57,353.49 v1(254.21,353.45)
